# KiCad board Dual_VCA.kicad_pcb
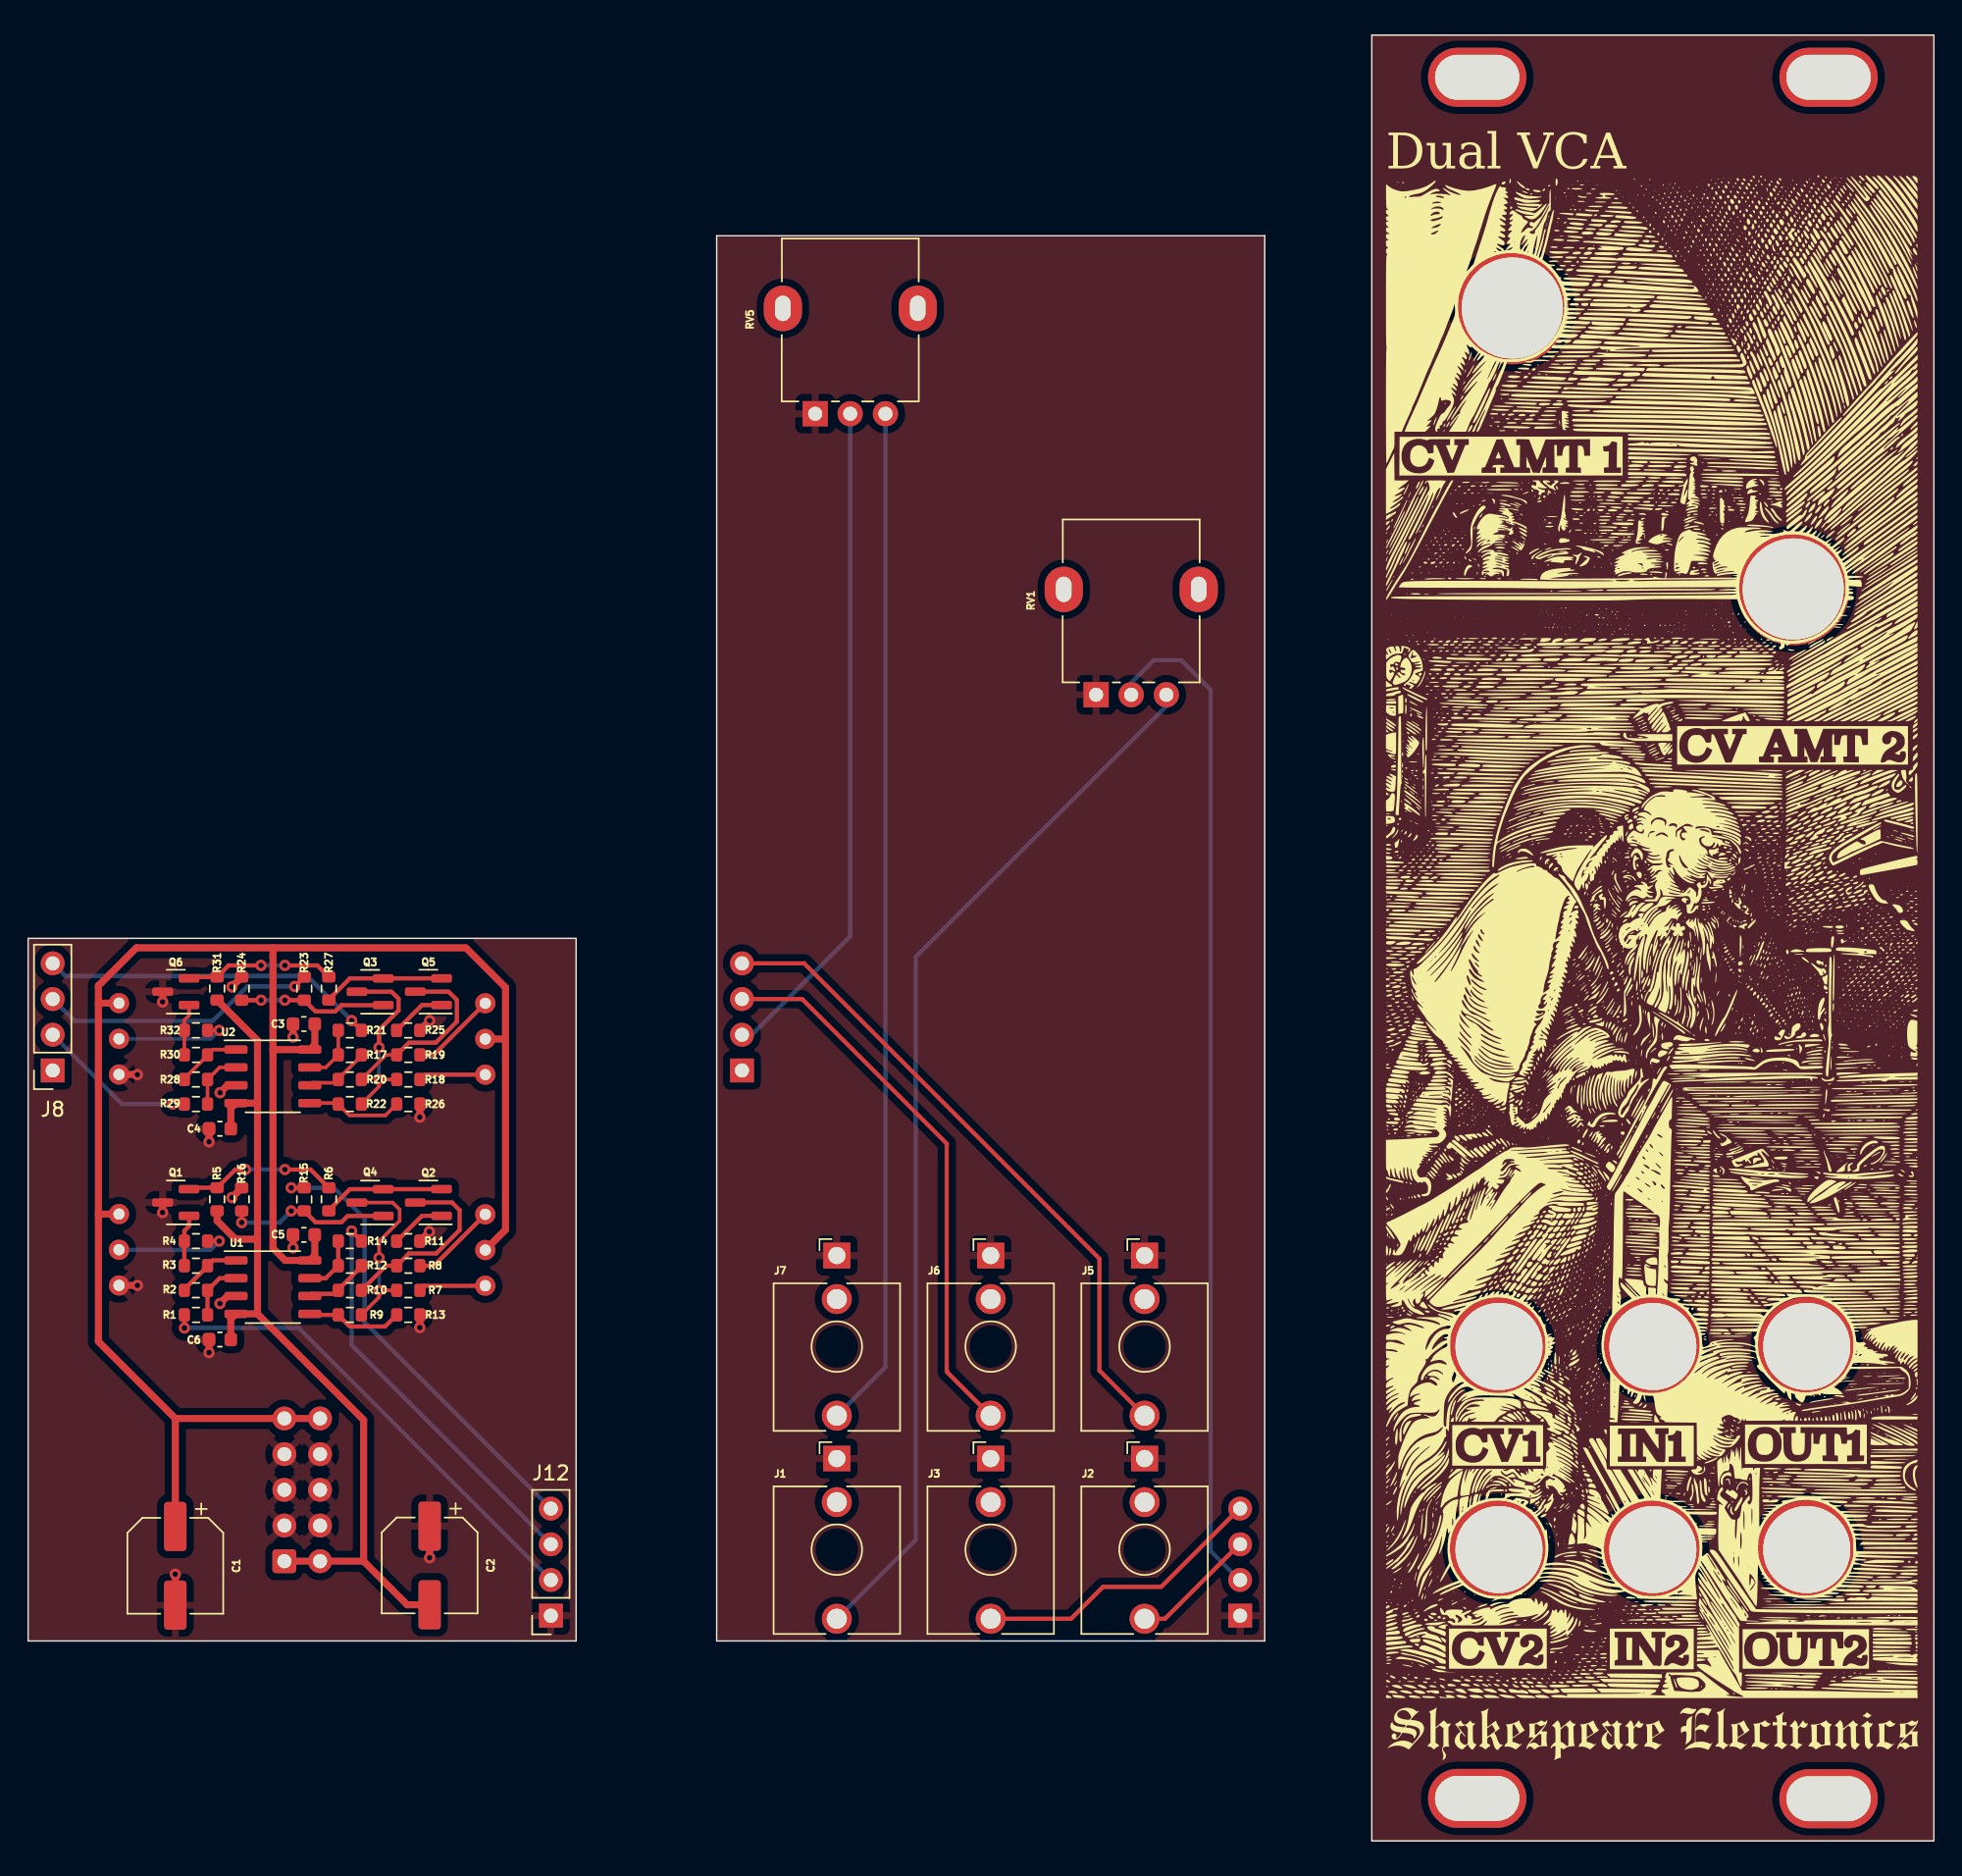
[diagram p0: board, top side]
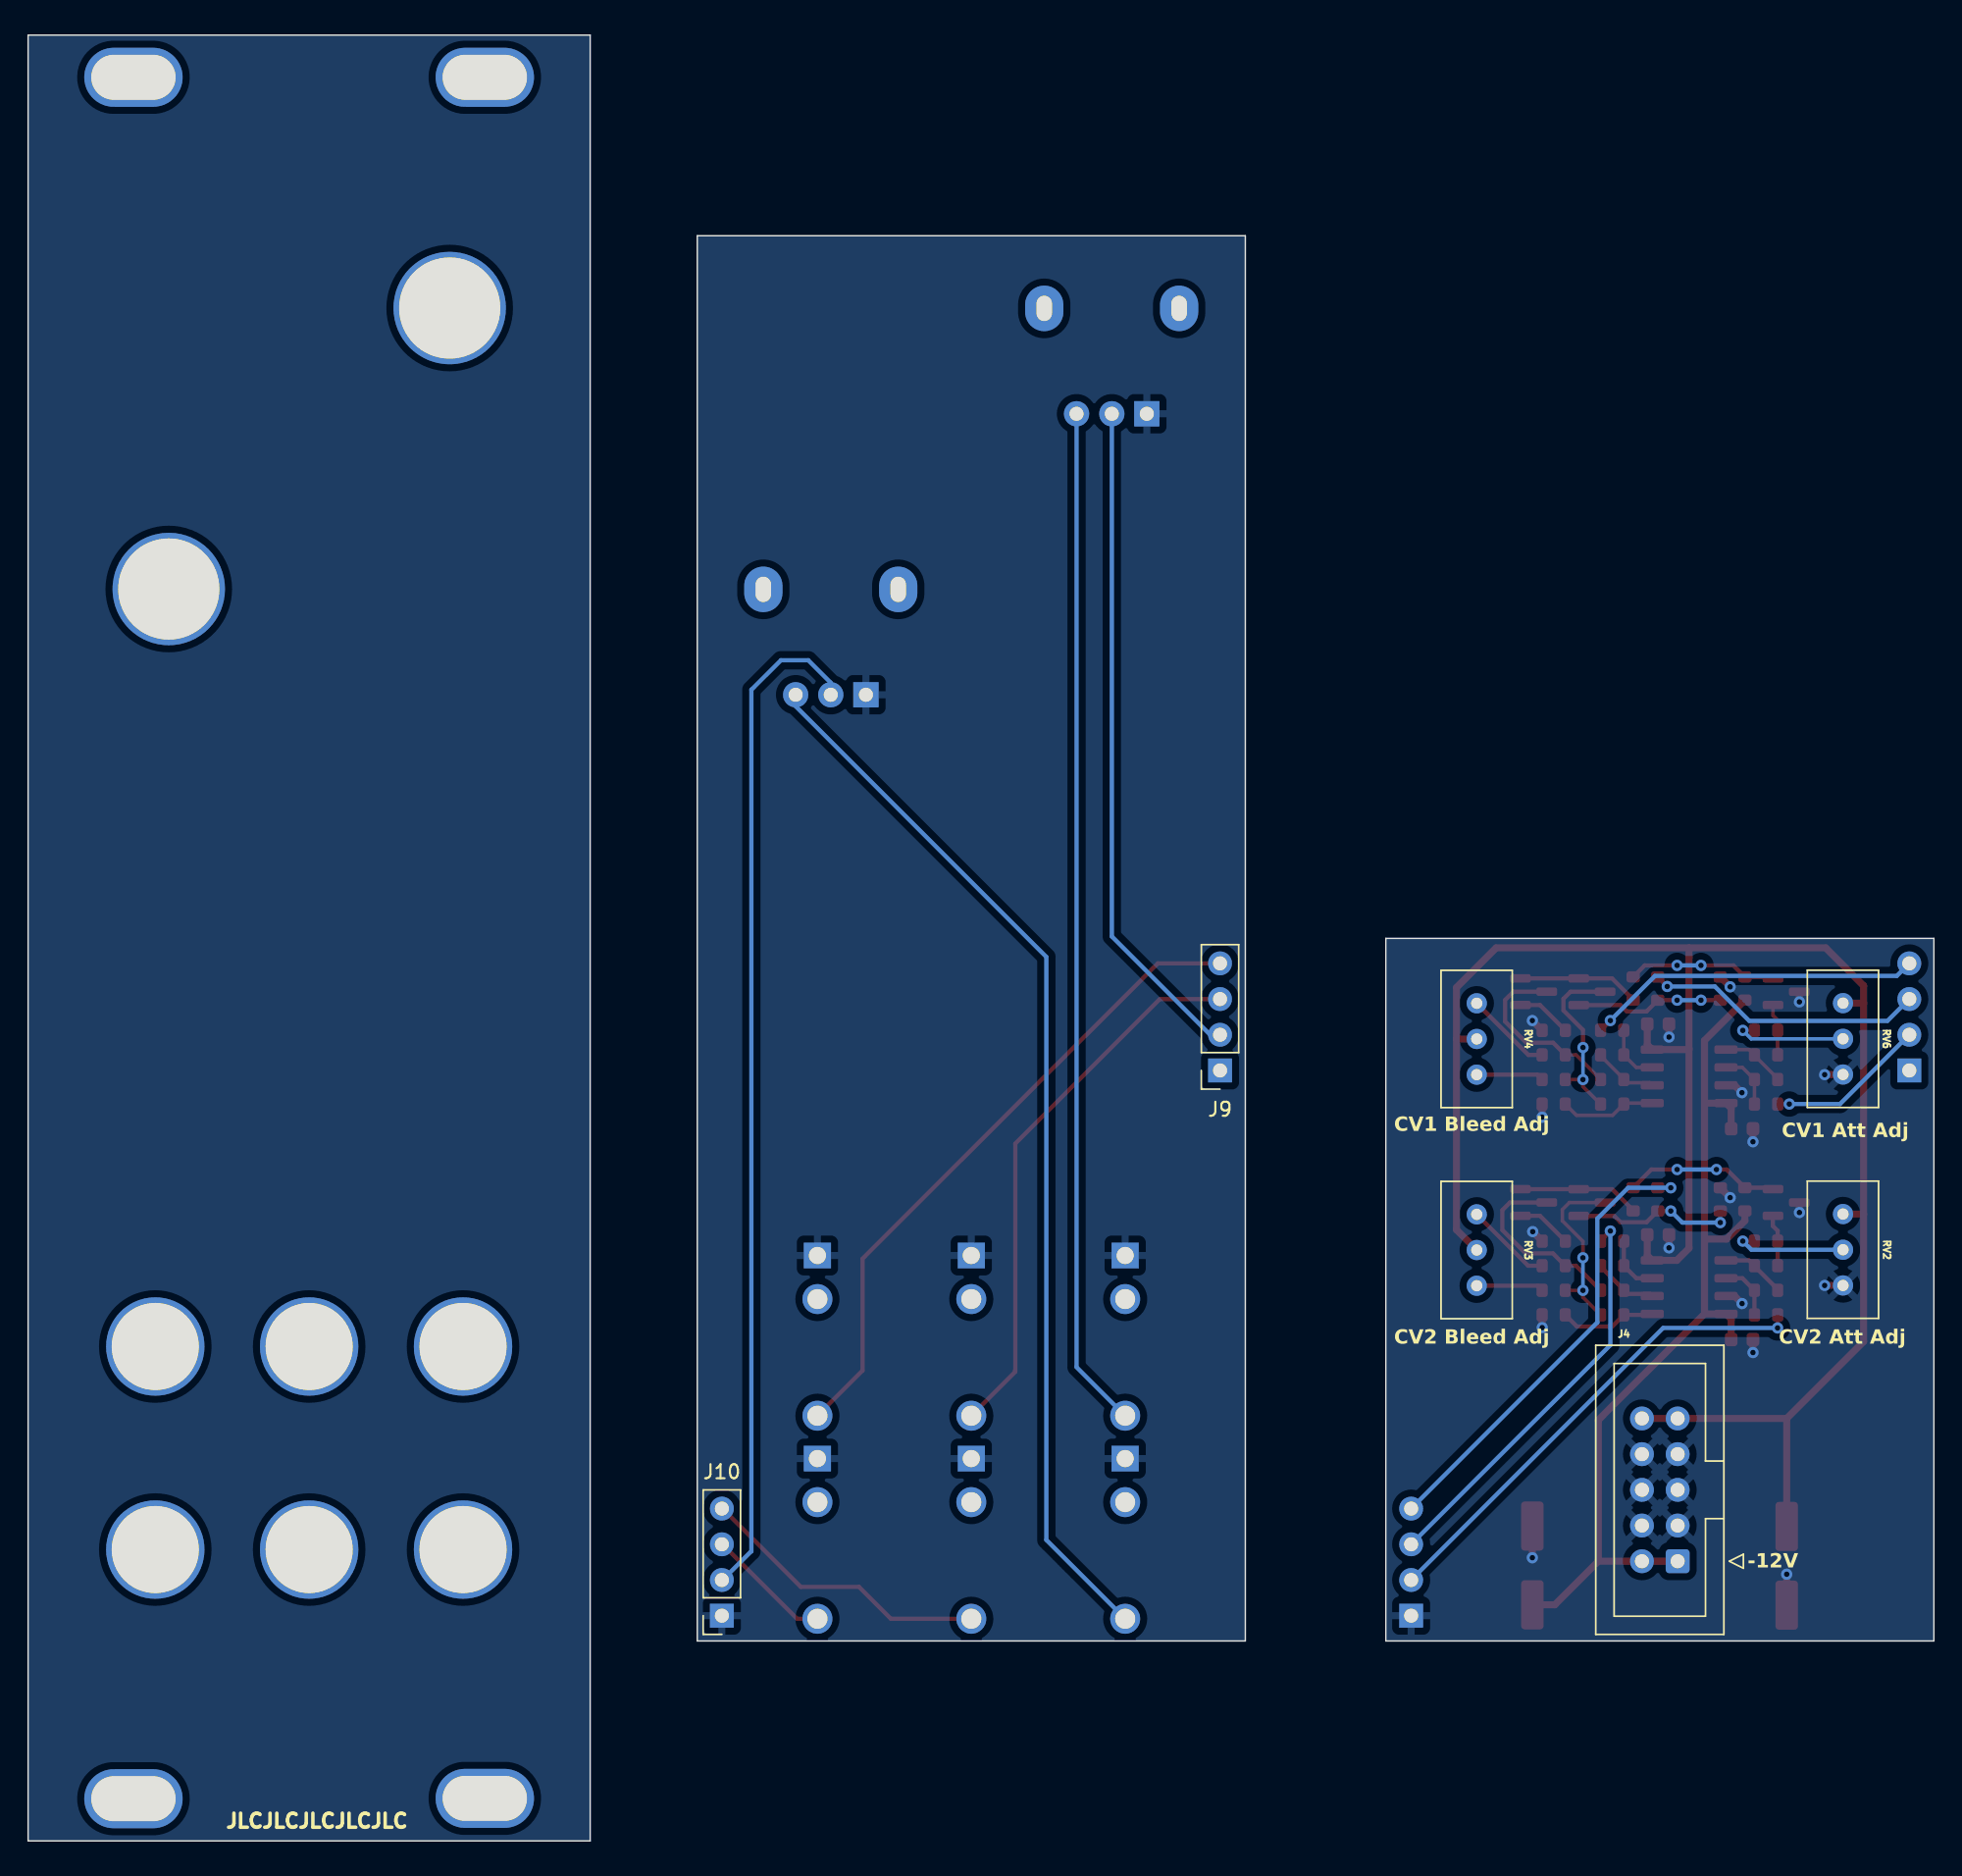
[diagram p1: board, bottom side, seen from below]

Outline 135.62 x 128.5 mm; copper layers: Top, Bottom. Coordinates in mm from the lower left corner of the outline.
Outline path: 0,64.22 0,14.22 39,14.22 39,64.22 0,64.22 ; 49,114.22 49,14.22 88,14.22 88,114.22 49,114.22 ; 95.62,128.5 95.62,0 135.62,0 135.62,128.5 95.62,128.5
Stack: Top 0.035mm / dielectric 1.51mm FR4 er 4.5 / Bottom 0.035mm

## Placement (name value [footprint] x y rotation side)
C1  10uF  [CP_Elec_6.3x5.4]  10.47 19.57 270 top
C2  10uF  [CP_Elec_6.3x5.4]  28.57 19.6 270 top
C3  100nF  [C_0603_1608Metric]  19.62 58.12 0 top
C4  100nF  [C_0603_1608Metric]  13.65 50.67 0 top
C5  100nF  [C_0603_1608Metric]  19.62 43.12 0 top
C6  100nF  [C_0603_1608Metric]  13.65 35.67 0 top
G***  -  [LOGO]  115.53 64.34 0 top
G***#2  -  [LOGO]  115.64 7.57 0 top
J1  CV_IN  [Jack_3.5mm_QingPu_WQP-PJ398SM_Vertical_CircularHoles]  57.55 27.2 0 top
J2  AUDIO_OUT  [Jack_3.5mm_QingPu_WQP-PJ398SM_Vertical_CircularHoles]  79.45 27.2 0 top
J3  AUDIO_IN  [Jack_3.5mm_QingPu_WQP-PJ398SM_Vertical_CircularHoles]  68.5 27.2 0 top
J4  PWR  [IDC-Header_2x05_P2.54mm_Vertical]  18.23 19.9 0 bottom
J5  AUDIO_OUT  [Jack_3.5mm_QingPu_WQP-PJ398SM_Vertical_CircularHoles]  79.45 41.66 0 top
J6  AUDIO_IN  [Jack_3.5mm_QingPu_WQP-PJ398SM_Vertical_CircularHoles]  68.5 41.66 0 top
J7  CV_IN  [Jack_3.5mm_QingPu_WQP-PJ398SM_Vertical_CircularHoles]  57.55 41.66 0 top
J8  Conn_2A  [PinSocket_1x04_P2.54mm_Vertical]  1.75 54.82 180 top
J9  Conn_2B  [PinSocket_1x04_P2.54mm_Vertical]  50.8 54.82 0 bottom
J10  Conn_1B  [PinSocket_1x04_P2.54mm_Vertical]  86.25 16.03 0 bottom
J12  Conn_1A  [PinSocket_1x04_P2.54mm_Vertical]  37.2 16.03 180 top
Q1  2N3904  [SOT-23]  10.51 45.43 180 top
Q2  2N3904  [SOT-23]  28.49 45.43 180 top
Q3  2N3904  [SOT-23]  24.34 60.42 180 top
Q4  2N3904  [SOT-23]  24.34 45.42 180 top
Q5  2N3904  [SOT-23]  28.49 60.43 180 top
Q6  2N3904  [SOT-23]  10.51 60.43 180 top
R1  100k  [R_0603_1608Metric]  11.94 37.43 180 top
R2  100k  [R_0603_1608Metric]  11.94 39.18 0 top
R3  10k  [R_0603_1608Metric]  11.94 40.93 0 top
R4  10k  [R_0603_1608Metric]  11.94 42.68 0 top
R5  10k  [R_0603_1608Metric]  13.45 45.66 270 top
R6  33k  [R_0603_1608Metric]  21.4 45.66 90 top
R7  15k  [R_0603_1608Metric]  27.06 39.18 180 top
R8  15k  [R_0603_1608Metric]  27.06 40.93 180 top
R9  15k  [R_0603_1608Metric]  22.89 37.43 180 top
R10  15k  [R_0603_1608Metric]  22.89 39.18 180 top
R11  1K  [R_0603_1608Metric]  27.05 42.67 180 top
R12  150k  [R_0603_1608Metric]  22.89 40.93 180 top
R13  150k  [R_0603_1608Metric]  27.06 37.43 180 top
R14  1K  [R_0603_1608Metric]  22.89 42.68 180 top
R15  200k  [R_0603_1608Metric]  19.65 45.65 270 top
R16  1K  [R_0603_1608Metric]  15.2 45.65 270 top
R17  150k  [R_0603_1608Metric]  22.89 55.93 180 top
R18  15k  [R_0603_1608Metric]  27.06 54.18 180 top
R19  15k  [R_0603_1608Metric]  27.06 55.93 180 top
R20  15k  [R_0603_1608Metric]  22.89 54.18 180 top
R21  1K  [R_0603_1608Metric]  22.89 57.68 180 top
R22  15k  [R_0603_1608Metric]  22.89 52.43 180 top
R23  200k  [R_0603_1608Metric]  19.65 60.65 270 top
R24  1K  [R_0603_1608Metric]  15.2 60.65 270 top
R25  1K  [R_0603_1608Metric]  27.05 57.67 180 top
R26  150k  [R_0603_1608Metric]  27.06 52.43 180 top
R27  33k  [R_0603_1608Metric]  21.4 60.66 90 top
R28  100k  [R_0603_1608Metric]  11.94 54.18 0 top
R29  100k  [R_0603_1608Metric]  11.94 52.43 180 top
R30  10k  [R_0603_1608Metric]  11.94 55.93 0 top
R31  10k  [R_0603_1608Metric]  13.45 60.66 270 top
R32  10k  [R_0603_1608Metric]  11.94 57.68 0 top
REF**  -  [PanelHole_Potentiometer_RV09]  123.12 81.58 90 top
REF**#2  -  [PanelHole_AudioJack_3.5mm]  104.67 27.23 0 top
REF**#3  -  [PanelHole_AudioJack_3.5mm]  126.57 41.68 0 top
REF**#4  -  [PanelHole_AudioJack_3.5mm]  115.62 41.68 0 top
REF**#5  -  [PanelHole_AudioJack_3.5mm]  115.62 27.23 0 top
REF**#6  -  [PanelHole_AudioJack_3.5mm]  104.67 41.68 0 top
REF**#7  -  [PanelHole_Potentiometer_RV09]  103.13 101.58 90 top
REF**#8  -  [PanelHole_AudioJack_3.5mm]  126.57 27.23 0 top
REF**#9  -  [Panel_8HP]  95.62 128.5 0 top
RV1  100k  [Potentiometer_Alpha_RD901F-40-00D_Single_Vertical]  76 81.56 90 top
RV2  10k  [Potentiometer_Bourns_3296W_Vertical]  6.47 39.53 270 bottom
RV3  5k  [Potentiometer_Bourns_3296W_Vertical]  32.53 39.5 270 bottom
RV4  5k  [Potentiometer_Bourns_3296W_Vertical]  32.53 54.52 270 bottom
RV5  100k  [Potentiometer_Alpha_RD901F-40-00D_Single_Vertical]  56.01 101.55 90 top
RV6  10k  [Potentiometer_Bourns_3296W_Vertical]  6.47 54.53 270 bottom
U1  TL072  [SOP-8_3.9x4.9mm_P1.27mm]  17.42 39.41 0 top
U2  TL072  [SOP-8_3.9x4.9mm_P1.27mm]  17.42 54.41 0 top

## Library data of the parts
C1 C2 = -: LCSC: C5221839
C3-C6 = -: Description: Unpolarized capacitor; LCSC: C1591
J4 = -: Description: Generic connector, double row, 02x05, odd/even pin numbering scheme (row 1 odd numbers, row 2 even numbers), script generated (kicad-library-utils/schlib/autogen/connector/)
J8-J10 J12 = -: Description: Generic connector, single row, 01x04, script generated
Q1-Q6 = -: Description: 0.2A Ic, 40V Vce, Small Signal NPN Transistor, TO-92; LCSC: C18536
R1 R2 R28 R29 = -: Description: Resistor; LCSC: C25803
R3-R5 R30-R32 = -: Description: Resistor; LCSC: C25804
R6 R27 = -: Description: Resistor; LCSC: C4216
R7-R10 R18-R20 R22 = -: Description: Resistor; LCSC: C22809
R11 R14 R16 R21 R24 R25 = -: Description: Resistor; LCSC: C21190
R12 R13 R17 R26 = -: Description: Resistor; LCSC: C22807
R15 R23 = -: Description: Resistor; LCSC: C25811
RV1 RV5 = -: Description: Potentiometer
U1 = -: Description: Dual Low-Noise JFET-Input Operational Amplifiers, DIP-8/SOIC-8; LCSC: C67473
U2 = -: Description: Dual Low-Noise JFET-Input Operational Amplifiers, DIP-8/SOIC-8

## Footprints (pads in the part's own frame, mm; a bottom-side part is the same pattern mirrored in y, then rotated)
C_0603_1608Metric
  rrect 0.9x0.95 smd: 1(-0.775,0) 2(0.775,0)
CP_Elec_6.3x5.4
  rrect 3.5x1.6 smd: 1(-2.8,0) 2(2.8,0)
IDC-Header_2x05_P2.54mm_Vertical
  rrect 1.7x1.7 hole 1: 1(0,0)
  round 1.7 hole 1: 2(2.54,0) 3(0,-2.54) 4(2.54,-2.54) 5(0,-5.08) 6(2.54,-5.08) 7(0,-7.62) 8(2.54,-7.62) 9(0,-10.16) 10(2.54,-10.16)
Jack_3.5mm_QingPu_WQP-PJ398SM_Vertical_CircularHoles
  rect 1.93x1.83 hole 1.22: S(0,0)
  round 2.13 hole 1.43: T(0,-11.4)
  round 2.13 hole 1.42: TN(0,-3.1)
Panel_8HP
  oval 7x4.2 hole 6x3.2: (7.5,-3) (7.5,-125.476) (32.505,-3) (32.505,-125.5)
PanelHole_AudioJack_3.5mm
  round 7 hole 6.2 unplated: (0,-6.5)
PanelHole_Potentiometer_RV09
  round 8 hole 7.2 unplated: (7.5,-2.49)
PinSocket_1x04_P2.54mm_Vertical
  rect 1.7x1.7 hole 1: 1(0,0)
  oval 1.7x1.7 hole 1: 2(0,-2.54) 3(0,-5.08) 4(0,-7.62)
Potentiometer_Alpha_RD901F-40-00D_Single_Vertical
  oval 3.24x2.72 hole 1.8x1.1: (7.5,2.3) (7.5,-7.3)
  rect 1.8x1.8 hole 1: 1(0,0)
  round 1.8 hole 1: 2(0,-2.49) 3(0,-5)
Potentiometer_Bourns_3296W_Vertical
  round 1.44 hole 0.8: 1(0,0) 2(-2.54,0) 3(-5.08,0)
R_0603_1608Metric
  rrect 0.8x0.95 smd: 1(-0.825,0) 2(0.825,0)
SOP-8_3.9x4.9mm_P1.27mm
  rrect 1.65x0.6 smd: 1(-2.625,1.905) 2(-2.625,0.635) 3(-2.625,-0.635) 4(-2.625,-1.905) 5(2.625,-1.905) 6(2.625,-0.635) 7(2.625,0.635) 8(2.625,1.905)
SOT-23
  rrect 1.475x0.6 smd: 1(-0.938,-0.95) 2(-0.938,0.95) 3(0.938,0)

## Nets
+12V: C1.1 C3.2 C5.2 J4.9 J4.10 RV2.3 RV3.2 RV4.2 RV6.3 U1.8 U2.8
-12V: C2.2 C4.2 C6.2 J4.1 J4.2 R5.2 R31.2 U1.4 U2.4
GND: C1.2 C2.1 C3.1 C4.1 C5.1 C6.1 J1.S J2.S J3.S J4.3 J4.4 J4.5 J4.6 J4.7 J4.8 J5.S J6.S J7.S J10.1 J12.1 Q1.3 Q6.3 R11.1 R13.1 R16.1 R24.1 R25.1 R26.1 RV1.1 RV2.1 RV5.1 RV6.1 U1.3 U2.3
/cv1_a: J12.2 R1.2
/cv1_b: J10.2 RV1.2
/cv2_a: J8.2 R29.2
/cv2_b: J9.2 RV5.2
/in1_a: J12.4 R15.1
/in1_b: J3.T J10.4
/in2_a: J8.3 R23.1
/in2_b: J6.T J9.3
/out1_a: J12.3 R14.1
/out1_b: J2.T J10.3
/out2_a: J8.4 R21.1
/out2_b: J5.T J9.4
Net-(J1-PadT): J1.T RV1.3
Net-(J7-PadT): J7.T RV5.3
Net-(Q1-B): Q1.2 R3.1 R4.1
Net-(Q1-E): Q1.1 R5.1 R6.2
Net-(Q2-B): Q2.2 R11.2
Net-(Q2-C): Q2.3 R8.2 R10.1
Net-(Q2-E): Q2.1 Q4.1 R6.1
Net-(Q3-B): Q3.2 R23.2 R24.2
Net-(Q3-C): Q3.3 R18.2 R22.1
Net-(Q3-E): Q3.1 Q5.1 R27.1
Net-(Q4-B): Q4.2 R15.2 R16.2
Net-(Q4-C): Q4.3 R7.2 R9.1
Net-(Q5-B): Q5.2 R25.2
Net-(Q5-C): Q5.3 R19.2 R20.1
Net-(Q6-B): Q6.2 R30.1 R32.1
Net-(Q6-E): Q6.1 R27.2 R31.1
Net-(R2-Pad1): R2.1 R3.2 U1.1
Net-(R4-Pad2): R4.2 RV2.2
Net-(R7-Pad1): R7.1 RV3.1
Net-(R8-Pad1): R8.1 RV3.3
Net-(R12-Pad2): R12.2 R14.2 U1.7
Net-(R17-Pad2): R17.2 R21.2 U2.7
Net-(R18-Pad1): R18.1 RV4.1
Net-(R19-Pad1): R19.1 RV4.3
Net-(R28-Pad1): R28.1 R30.2 U2.1
Net-(R32-Pad2): R32.2 RV6.2
Net-(U1A--): R1.1 R2.2 U1.2
Net-(U1B-+): R9.2 R13.2 U1.5
Net-(U1B--): R10.2 R12.1 U1.6
Net-(U2A--): R28.2 R29.1 U2.2
Net-(U2B-+): R22.2 R26.2 U2.5
Net-(U2B--): R17.1 R20.2 U2.6

Pads without a net: J1 TN; J2 TN; J3 TN; J5 TN; J6 TN; J7 TN; J8 1; J9 1

## Via types
v1: diameter 0.8, hole 0.4, Top to Bottom, 38 vias

## Routing (per net, layer and track width the routed paths; a pad name or vN(x,y) marks a point on that pad's centre or on a via; arc(x,y) is an arc through that point)
+12V: length 136.8
  Top w0.5: 5,59.6 5,60.85 7.7,63.55 17.42,63.55 ; 5,59.6 5,44.63 ; 5,59.6 5.02,59.61 RV6.3 ; RV4.2 33.97,57.06 33.97,57.07 ; 33.97,57.07 33.97,60.72 31.15,63.55 17.42,63.55 ; 33.97,57.07 33.97,43.49 RV3.2 ; C1.1 10.47,30.06 ; 10.47,30.06 J4.9 20.77,30.06 ; 10.47,30.06 5,35.53 5,44.58 5.02,44.6 RV2.3 ; 17.42,56.35 17.47,56.31 U2.8 20.4,56.67 C3.2 ; 17.42,56.35 17.42,42.17 18.29,41.31 U1.8 20.4,41.67 C5.2 ; 17.42,56.35 17.42,63.55
-12V: length 67
  Top w0.5: 16.33,37.5 23.88,29.95 23.88,19.9 ; 16.33,37.5 U1.4 14.42,37.13 C6.2 ; 16.33,37.5 16.33,42.82 ; 16.33,52.5 16.33,56.95 R31.2 ; 16.33,52.5 16.33,42.82 ; 16.33,52.5 U2.4 14.42,52.13 C4.2 ; 16.33,42.82 14.75,42.82 13.45,44.12 R5.2 ; J4.1 23.88,19.9 ; 23.88,19.9 26.97,16.8 C2.2
GND: length 20.7
  Top w0.5: C5.1 v1(18.85,42.2) ; C1.2 v1(10.47,18.97) ; v1(7.77,54.52) 7.77,54.53 RV6.1 ; R13.1 27.88,36.53 v1(27.88,36.53) ; C3.1 v1(18.85,57.2) ; R25.1 v1(28.57,58.38) ; U2.3 14.19,53.77 v1(13.66,53.24) ; 14.79,38.77 14.19,38.77 v1(13.65,38.24) ; Q6.3 9.58,59.71 v1(9.57,59.7) ; R11.1 27.88,42.68 v1(28.55,43.35) ; v1(27.88,51.5) 27.88,51.51 R26.1 ; RV2.1 v1(7.77,39.53) ; C2.1 v1(28.57,20.15) ; Q1.3 9.58,44.72 v1(9.57,44.71) ; C4.1 v1(12.88,49.75) ; C6.1 v1(12.88,34.75) ; R16.1 v1(14.5,45.77) ; R24.1 v1(14.5,60.77)
/cv1_a: length 34.4
  Top w0.3: v1(11.12,36.5) 11.12,36.51 R1.2
  Bottom w0.3: J12.2 19.27,36.5 v1(11.12,36.5)
/cv1_b: length 72.2
  Bottom w0.3: 86.2,18.56 84.16,20.6 84.15,20.6 84.15,81.91 82.05,84.02 80.1,84.02 78.5,82.41 RV1.2
/cv2_a: length 11.5
  Top w0.3: R29.2 10.3,52.43 v1(10.29,52.44)
  Bottom w0.3: 1.83,57.24 1.83,57.31 ; v1(10.29,52.44) 6.68,52.44 J8.2
/cv2_b: length 47.8
  Bottom w0.3: RV5.2 58.5,64.36 51.5,57.36 50.75,57.36
/in1_a: length 33.2
  Top w0.3: R15.1 v1(18.72,46.47)
  Bottom w0.3: J12.4 23.95,36.89 23.95,36.89 23.95,44.28 21.76,46.47 v1(18.72,46.47)
/in1_b: length 20.9
  Top w0.3: J3.T 74.22,15.81 76.49,18.07 80.63,18.07 86.2,23.64
/in2_a: length 19.8
  Top w0.3: R23.1 v1(18.97,60.8)
  Bottom w0.3: v1(18.97,60.8) 15.59,60.8 13.14,58.35 3.3,58.35 J8.3
/in2_b: length 39.5
  Top w0.3: 50.75,59.91 55.08,59.91 65.37,49.61 65.37,33.45 65.38,33.45 65.38,33.38 J6.T
/out1_a: length 29.2
  Top w0.3: v1(23.02,43.4) 23.72,42.71 R14.1
  Bottom w0.3: v1(23.02,43.4) 23.02,35.28 23.03,35.28 J12.3
/out1_b: length 8.9
  Top w0.3: 86.2,21.1 80.9,15.81 J2.T
/out2_a: length 23.9
  Top w0.3: v1(23.02,58.38) 23.72,57.68 R21.1
  Bottom w0.3: J8.4 2.64,61.55 19.85,61.55 v1(23.02,58.38)
/out2_b: length 46.7
  Top w0.3: 50.75,62.44 55.22,62.44 76.24,41.42 76.24,33.47 J5.T
Net-(J1-PadT): length 75.5
  Bottom w0.3: RV1.3 81,80.74 63.16,62.91 63.16,21.41 J1.T
Net-(J7-PadT): length 72.7
  Bottom w0.3: RV5.3 61.01,33.72 J7.T
Net-(Q1-B): length 3.7
  Top w0.3: R3.1 R4.1 11.12,43.41 11.46,43.75 11.46,44.47 Q1.2
Net-(Q1-E): length 11.1
  Top w0.3: Q1.1 11.55,46.48 13.45,46.48 14.75,47.77 v1(15.48,47.77) ; 21.4,46.48 20.11,47.77 v1(18.27,47.77)
  Bottom w0.3: v1(15.48,47.77) v1(18.27,47.77)
Net-(Q2-B): length 3.9
  Top w0.3: R11.2 28.03,44.48 Q2.2
Net-(Q2-C): length 13.6
  Top w0.3: Q2.3 30.16,45.43 30.71,44.88 30.71,43.47 29.04,41.8 27.11,41.8 R8.2 25.47,40.93 R10.1
Net-(Q2-E): length 8.7
  Top w0.3: Q2.1 29.42,46.38 Q4.1 22.9,46.38 21.4,44.87 R6.1
Net-(Q3-B): length 10.6
  Top w0.3: R24.2 v1(16.58,59.82) ; v1(18.27,59.82) R23.2 20.45,59.02 21.85,59.02 22.3,59.47 Q3.2
  Bottom w0.3: v1(16.58,59.82) v1(18.27,59.82)
Net-(Q3-C): length 13
  Top w0.25: R22.1 24.97,53.69 v1(24.97,54.17) 26.23,54.17 R18.2
  Top w0.3: Q3.3 25.86,60.42 26.36,59.92 26.36,59.1 24.97,57.71 v1(24.97,56.46)
  Bottom w0.25: v1(24.97,54.17) 24.97,54.18 v1(24.97,56.46)
Net-(Q3-E): length 8.7
  Top w0.3: Q5.1 29.42,61.38 Q3.1 22.9,61.38 21.4,59.87 R27.1
Net-(Q4-B): length 11.8
  Top w0.3: Q4.2 22.75,44.47 22.3,44.02 20.45,44.02 R15.2 v1(18.72,44.82) ; R16.2 v1(15.2,44)
  Bottom w0.3: v1(18.72,44.82) 17.9,44 v1(15.2,44)
Net-(Q4-C): length 13.1
  Top w0.25: v1(24.98,41.5) 24.98,42.66 26.44,44.12 26.44,44.92 25.94,45.42 Q4.3 ; R9.1 24.97,38.69 v1(24.97,39.17) 26.23,39.17 R7.2
  Bottom w0.25: v1(24.97,39.17) 24.98,39.18 v1(24.98,41.5)
Net-(Q5-B): length 3.9
  Top w0.3: R25.2 28.03,59.48 Q5.2
Net-(Q5-C): length 13.2
  Top w0.25: R20.1 25.47,55.93 R19.2
  Top w0.3: Q5.3 29.92,60.43 30.51,59.84 30.51,58.31 29,56.8 27.1,56.8 R19.2
Net-(Q6-B): length 3.7
  Top w0.25: Q6.2 11.45,58.73 11.12,58.4 R32.1 R30.1
Net-(Q6-E): length 10.7
  Top w0.3: v1(18.27,62.3) 20.58,62.3 21.4,61.48 ; v1(16.58,62.3) 14.27,62.3 13.45,61.48 11.55,61.48 Q6.1
  Bottom w0.3: v1(16.58,62.3) v1(18.27,62.3)
Net-(R2-Pad1): length 4.6
  Top w0.3: U1.1 13.15,41.31 R3.2 12.77,40.9 11.12,39.25 R2.1
Net-(R4-Pad2): length 8.2
  Top w0.3: v1(13.6,42.68) R4.2
  Bottom w0.3: v1(13.6,42.68) 12.98,42.06 RV2.2
Net-(R7-Pad1): length 4.8
  Top w0.3: RV3.1 28.21,39.5 R7.1
Net-(R8-Pad1): length 6.2
  Top w0.3: R8.1 28.88,40.93 RV3.3
Net-(R12-Pad2): length 4.1
  Top w0.3: U1.7 21.18,40.04 R12.2 R14.2
Net-(R17-Pad2): length 4.1
  Top w0.25: 20.04,55.04 21.18,55.04 R17.2 R21.2
Net-(R18-Pad1): length 4.8
  Top w0.3: R18.1 28.23,54.52 RV4.1
Net-(R19-Pad1): length 6.2
  Top w0.3: R19.1 28.86,55.93 RV4.3
Net-(R28-Pad1): length 4.6
  Top w0.25: R28.1 11.12,54.24 12.77,55.89 R30.2 13.15,56.31 U2.1
Net-(R32-Pad2): length 8.2
  Top w0.25: R32.2 12.77,57.67 v1(13.6,57.67)
  Bottom w0.25: v1(13.6,57.67) 13,57.07 RV6.2
Net-(U1A--): length 4.1
  Top w0.3: R1.1 R2.2 13.63,40.04 U1.2
Net-(U1B-+): length 6.9
  Top w0.3: R13.2 25.41,36.6 22.89,36.6 R9.2 20.11,37.43 U1.5
Net-(U1B--): length 4.6
  Top w0.3: 20.04,38.77 20.2,38.92 21.81,38.92 R10.2 22.07,39.22 23.72,40.87 R12.1
Net-(U2A--): length 4.1
  Top w0.25: 14.79,55.04 13.63,55.04 R28.2 R29.1
Net-(U2B-+): length 6.9
  Top w0.25: U2.5 22,52.5 R22.2 22.87,51.63 25.43,51.63 R26.2
Net-(U2B--): length 4.6
  Top w0.25: U2.6 20.22,53.95 21.84,53.95 R20.2 22.07,54.22 23.72,55.87 R17.1

## Copper pours and planes (outline as drawn; the poured copper is in the pictures)
GND on Top: 48.94,114.28 88.05,114.28 88.06,14.16 48.94,14.16
GND on Top: -0.08,64.3 39.07,64.3 39.07,14.15 -0.08,14.15
GND on Bottom: -0.08,14.15 -0.08,64.3 39.07,64.3 39.07,14.15
GND on Bottom: 48.94,114.28 88.05,114.28 88.06,14.16 48.94,14.16
(no net) on Top: 95.55,128.56 135.69,128.56 135.69,-0.06 95.55,-0.06
(no net) on Bottom: 95.55,128.56 135.69,128.56 135.69,-0.06 95.55,-0.06

## Text on the board
B.Silkscreen: JLCJLCJLCJLCJLC | CV1 Att Adj | CV2 Att Adj | -12V | CV1 Bleed Adj | CV2 Bleed Adj
F.Silkscreen: Dual VCA
